# KiCad board AMC_FMC_Carrier-PcbDoc.kicad_pcb (continued)
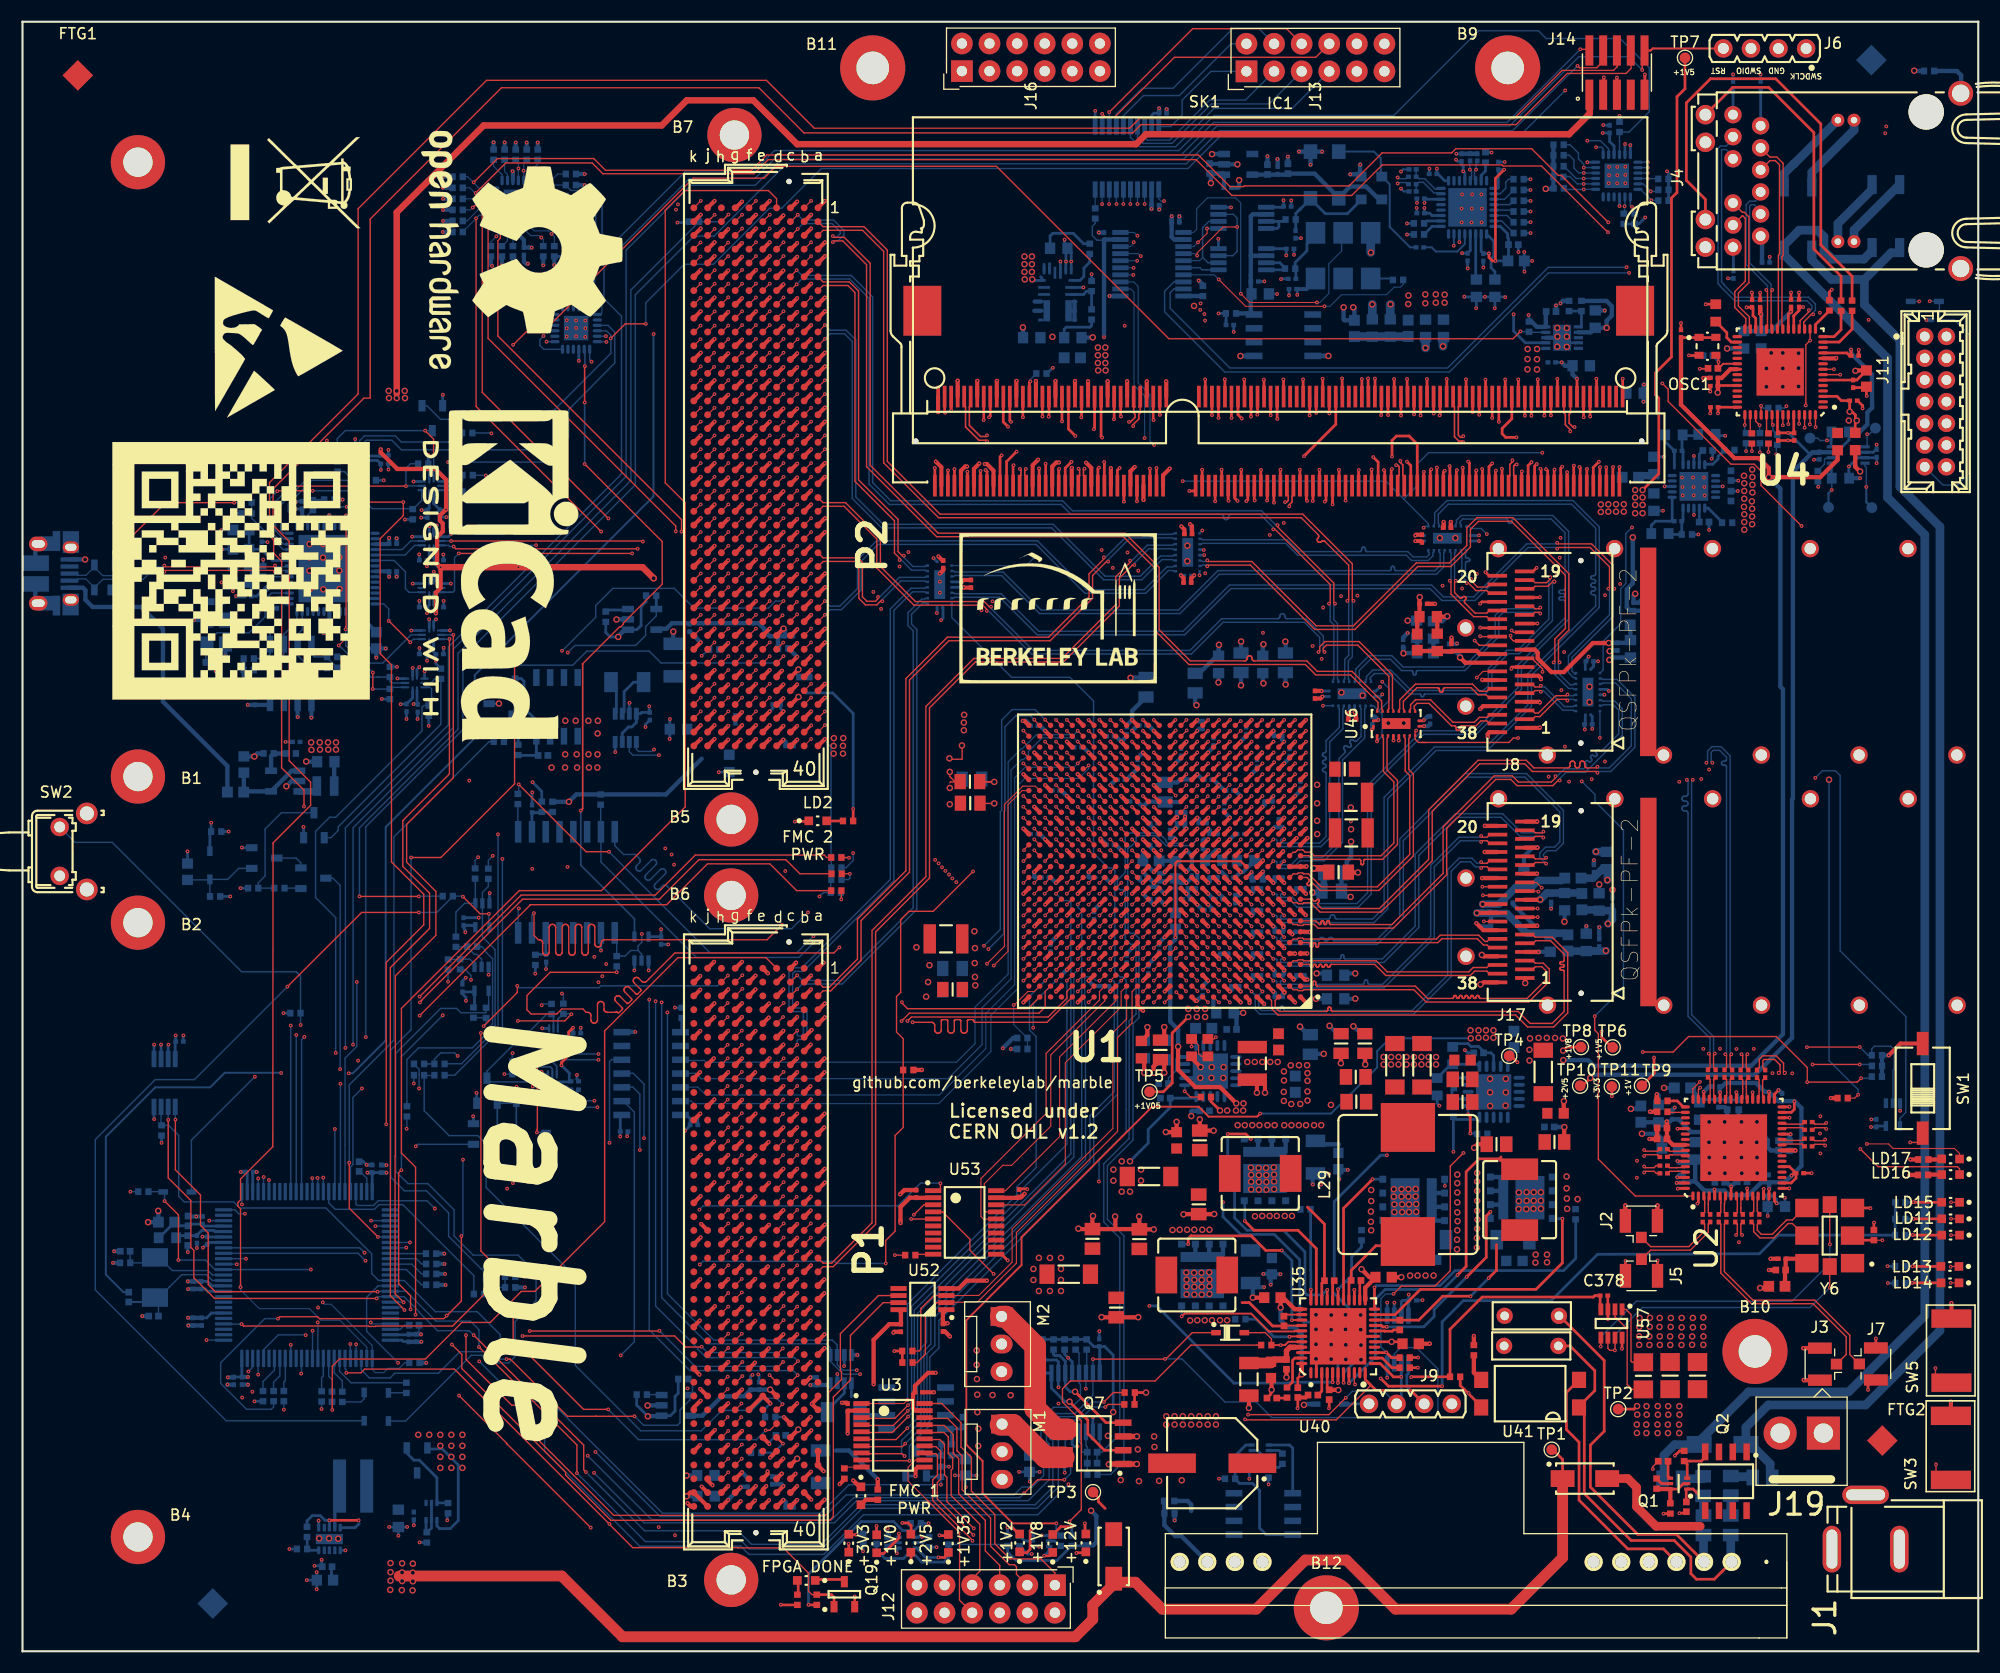
[diagram p0: board, top side]
## Copper pours and planes (outline as drawn; the poured copper is in the pictures) (continued)
+12V_FMC1 on Bottom: 70.41,21.99 71.57,23.16 75.21,23.16 75.21,17.67 72.39,17.67 71.42,16.83 69.95,16.83 69.95,21.58
+12V_FMC2 on Bottom: 56.28,87.98 57.1,87.16 71.85,87.16 72.18,87.49 72.18,90.31 71.55,90.95 56.84,90.95 56.28,90.39
/Power/+12VS on Top: 159.51,22.01 159.51,17.11 147.96,17.12 147.96,25.37 156.29,25.37
/Power/+12VS on Bottom: 154.12,19.12 146.26,11.25 115.2,11.25 115.3,20.76 131.65,20.76 135.37,23.79 154.12,23.79
/Power/Power_SW/1V5_DCDC on Bottom: 95.02,122.37 95.4,121.81 96.59,121.81 96.59,118.38 92.78,118.38 92.78,124.48 95.02,124.48
/Power/Power_SW/1V5_LDO on Bottom: 152.41,109.23 150.15,109.25 149.36,110.28 148.21,110.27 148.07,110.12 148.06,107.68 148.21,107.53 152.05,107.53 152.13,107.45 152.41,107.45
GND on Top: 135.51,49.39 132.66,49.39 132.66,55.9 135.51,55.9
GND on Top: 115.39,53.46 116.68,53.46 116.68,55.75 124.05,55.82 124.51,55.36 124.51,54.04 122.6,54.04 122.6,49.5 114.71,49.45 112.86,51.13 112.89,53.46
GND on Top: 121.81,82.26 121.83,73.96 124.57,73.96 124.55,82.26
GND on Top: 84.71,83.76 87.28,83.76 87.28,77.08 85.65,77.08 84.63,78.1 84.74,78.1
GND on Top: 81.64,67.39 84.76,67.39 84.76,64.83 85.25,63.99 85.25,59.52 81.67,59.52
GND on Top: 99.22,20.16 108.65,20.16 108.66,16.7 107.19,15.23 99.23,15.23
GND on Bottom: 87.31,83.82 87.32,76.99 84.71,76.99 84.71,83.84
GND on Bottom: 129.31,35.4 129.51,35.19 130.65,35.19 130.78,35.07 130.78,34.05 130.58,33.85 126.49,33.85 126.49,38.93 129,38.93 129.31,38.62
GND on Bottom: 106.05,55.34 102.49,55.34 102.49,52.37 104.37,50.49 105.21,50.49 105.21,52.34 106.05,53.18
GND on Bottom: 69.82,16.6 74.88,16.6 74.88,14.82 73.12,13.07 69.82,13.07
GND on Bottom: 81.72,59.7 85.25,59.7 85.25,64.4 81.72,64.4
GND on Bottom: 107.19,32.35 111.73,32.35 111.73,30.04 107.19,30.04
GND on Bottom: 112.93,42.05 118.08,42.05 118.08,39.03 112.93,39.03
GND on Bottom: 123.03,42.94 125.75,42.94 125.75,38.4 123.03,38.4
GND on Bottom: 140.18,44.31 144.45,44.31 144.45,40.25 140.18,40.25
GND on Bottom: 137.44,38.99 140.97,38.98 140.97,35.14 137.44,35.16
GND on GND1.Cu: 179.6,0.48 0.6,0.48 0.6,149.48 179.6,149.48
GND on GND3.Cu: 0.29,149.46 39.15,149.46 40.81,149.42 179.55,149.41 179.6,141.62 179.6,78.35 179.63,76.57 179.56,61.42 179.63,0.84 168.7,0.85 30.78,0.85 0.31,0.49 0.3,3.86 0.3,140.81
GND on GND5.Cu: 179.6,0.48 0.6,0.48 0.6,149.48 179.6,149.48
GND on GND8.Cu: 179.6,0.48 0.6,0.48 0.6,149.48 179.6,149.48
GND on GND10.Cu: 179.59,0.49 0.59,0.49 0.59,149.49 179.59,149.49
VCCAUX on Bottom: 119.08,52.17 115.43,52.17 115.43,54.49 119.08,54.49
VCCAUX on In9.Cu: 113.42,75.47 119.67,75.47 119.69,69.27 112.91,69.25 112.83,69.12 112.83,61.27 113.86,60.31 118.9,60.29 118.92,52.12 110.21,52.11 110.21,60.16 109.61,60.77 109.33,61.05 109.35,64.33 106.28,67.4 106.27,77.15 111.74,77.16
VCCAUXIO2V0 on Bottom: 112.57,72.15 112.57,76.42 109.65,76.42 109.65,72.15
VCCAUXIO2V0 on Bottom: 152.38,107 150.96,107 150.7,107.25 148.21,107.25 148.06,107.1 148.06,104.43 148.32,104.18 149.33,104.18 149.51,104.35 149.51,105.57 149.64,105.7 152.38,105.7
VCCAUXIO2V0 on In7.Cu: 150.17,98.12 150.19,98.14 150.19,90 131.51,71.4 109.5,71.4 109.5,76.19 127.78,76.18 144.57,92.99 144.68,107.41 147.94,107.42 150.17,107.42
VCCBRAM on Top: 111.66,56.4 114.5,56.4 114.86,56.05 116.33,56.05 116.33,53.58 111.66,53.58
VCCBRAM on In7.Cu: 117.45,54.18 117.4,55.08 114.55,57.91 107.62,57.92 107.62,69.04 109.11,70.59 108.99,75.72 107.52,77.29 105.92,77.32 104.22,75.62 104.22,58.2 103.3,57.28 103.39,53.64 104.8,52.32 116.44,52.18 117.43,53.12
+3.3P on Top: 33.32,116.42 35.61,116.42 35.61,114.9 33.32,114.9
+3.3P on Bottom: 35.73,20.56 41.45,20.56 41.45,15.94 38.73,15.94 35.73,18.94
+3.3P on In4.Cu: 61.13,131.93 61.13,131.3 58.84,129 58.84,123.1 49.83,114.1 33.13,114.1 33.19,135.35 58.15,135.35
+3.3P on PWR6.Cu: 41.2,94.58 67.99,94.58 67.99,92.04 58.85,82.9 42.85,82.9 41.83,81.88 41.83,56.61 46.02,52.42 46.02,39.84 48.18,37.68 48.18,24.98 113.08,24.98 115.36,27.27 128.06,27.27 128.06,20.92 115.87,20.92 114.09,19.14 48.18,19.14 48.18,0.47 18.76,0.55 11.6,0.5 0.51,0.42 0.51,6.9 0.56,7.97 0.56,116.55 41.2,116.55
/FPGA/VREF_DDR3 on Bottom: 140.76,117.36 138.2,117.34 138.2,120.18 140.76,120.18
/FPGA/VREF_DDR3 on In7.Cu: 141.81,120.62 141.81,117.31 139.54,115.2 111.17,115.2 107.29,111.32 107.29,101.79 107.36,86.15 108.35,85.16 108.35,84.65 106.88,83.18 106.88,82.06 108.58,80.38 109.22,80.38 111.15,82.31 115.19,82.31 115.62,82.74 115.62,83.79 116.02,84.14 116.56,84.17 116.81,83.91 116.81,79.47 115.31,77.71 104.24,77.69 102.36,79.57 99.87,79.57 99.29,80.15 99.29,82.46 101.9,85.08 102.19,85.08 102.98,84.27 103.81,84.27 104.29,84.75 104.29,103.52 101.17,106.62 93.52,114.27 88.44,114.27 87.68,113.5 87.68,111.6 85.32,109.26 84.33,108.3 83.92,108.3 83.66,108.55 83.66,108.98 84.58,109.9 84.58,119.04 86.69,121.15 141.3,121.15
/Power/Power_SW/PSS_XRP_LX1 on Top: 106.73,38.07 112.75,38.07 112.75,31.44 106.73,31.44
/Power/Power_SW/PSS_XRP_LX2 on Top: 112.62,47.03 118.56,47.03 118.56,40.5 112.62,40.5
/Power/Power_SW/PSS_XRP_LX3 on Top: 130.35,42.84 130.35,37.02 124.91,37.02 124.91,42.84
/Power/Power_SW/PSS_XRP_LX4 on Top: 135.1,42.56 141.04,42.56 141.04,36.87 135.1,36.87
/Power/Power_SW/XR77129ILB_F_VOUT1 on Top: 97.05,38.07 106.52,38.07 106.52,31.46 97.05,31.46
/Power/Power_SW/XR77129ILB_F_VOUT2 on Top: 104.42,47.06 112.29,47.06 112.29,40.99 104.42,40.99
/Power/Power_SW/XR77129ILB_F_VOUT3 on Top: 122.73,46.93 124.63,45.02 129.89,45.02 132.59,47.72 132.59,55.44 130.88,55.44 130.63,55.18 130.63,53.81 129.99,53.18 125.07,53.18 124.41,53.84 122.73,53.84
/Power/Power_SW/XR77129ILB_F_VOUT4 on Top: 135.81,52.67 141.03,52.67 141.03,42.76 135.81,42.76
MGTAVCC on Bottom: 108.61,56.66 108.61,58.13 110.36,58.13 110.36,59.5 112.34,61.49 113.56,61.49 113.66,61.59 113.66,70.43 113.44,70.66 109.27,70.66 106.98,68.37 106.98,66.08 106.3,65.4 106.3,56.66
MGTAVCC on In7.Cu: 112.88,70.63 113.79,69.71 113.79,59.99 111.99,58.16 111.89,58.05 106.96,58.05 106.96,68.32 109.27,70.63
MGTAVTT on Bottom: 133.19,58.13 132.71,57.64 132.71,56.04 133.22,55.53 135.3,55.5 136.25,56.4 137.91,56.43 138.17,56.75 138.17,57.95 137.99,58.13
MGTAVTT on In7.Cu: 114.44,71.97 114.88,71.43 124.79,71.34 135.66,60.47 137.59,58.69 137.59,58.61 137.59,57.44 135.2,55.21 118.08,55.21 113.87,59.48 113.81,71.21 113.94,72
VTT_DDR3 on Bottom: 148.49,113.45 147.24,112.37 147.24,108.8 144.21,108.78 142.41,110.25 142.41,121.22 148.49,121.2
Net-(C42-Pad2) on Top: 169.5,111.39 166.2,111.39 166.2,112.63 167.14,113.57 167.55,113.57 167.75,113.77 167.75,115.45 168.59,115.45 168.59,114.41 169.5,113.5
Net-(C42-Pad2) on Bottom: 169.2,112.86 166.3,112.86 164.2,114.97 156.5,114.97 155.56,115.91 155.56,117.97 157.74,120.15 157.74,123.86 158.23,124.34 164.7,124.34 165.59,123.45 165.59,119.49 169.2,115.88
Net-(C128-Pad1) on Top: 154.03,16.79 159.68,16.8 159.69,22.52 164.12,22.55 164.08,15.29 168.43,11.28 168.45,4.49 160.38,4.48 154.02,10.84
Net-(C129-Pad1) on Top: 33.27,8.63 36.32,8.63 36.32,5.12 33.27,5.12
Net-(C129-Pad1) on Bottom: 29.05,9.82 29.05,8.83 29.28,8.6 36.32,8.6 36.32,5.15 27.81,5.15 27.81,8.47 28.01,8.68 28.01,9.82
Net-(C132-Pad1) on Bottom: 35.25,18.43 37.51,16.17 37.51,12.28 34.11,12.28 33.35,11.52 30.73,11.52 30.73,18.43
Net-(C143-Pad1) on Bottom: 138.31,55.89 138.31,53.75 138.42,53.27 138.43,52.49 137.08,52.49 137.08,53.13 136.87,53.22 135.07,53.21 135.06,54.98 136.47,56.25 138.25,56.25
Net-(C350-Pad1) on Top: 99.03,8.93 108.84,8.93 109.73,8.04 109.73,6.57 116.35,6.58 116.35,19.76 109.47,19.75 109.47,17.03 106.04,13.6 99.06,13.6
Net-(C350-Pad1) on Bottom: 106.75,11.55 109.62,8.68 109.62,6.34 113.23,6.34 113.23,15.05 106.75,15.05
Net-(C383-Pad1) on Bottom: 108.99,56.28 108.69,56.58 108.69,58.08 111.35,58.08 111.35,56.73 112.55,55.54 112.55,54.35 111.08,54.35 111.08,55.01 110.97,55.11 108.99,55.11
Net-(Q16-Pad5) on Bottom: 77.82,25.26 81.23,25.26 81.23,19.37 75.46,19.37 75.46,25.29
Net-(Q23-Pad5) on Bottom: 47,91.54 54.09,91.54 55.27,90.36 55.27,87.62 54.02,87.62 53.26,86.86 46.45,86.86 46.45,91.53

## Text on the board
F.SilkS: +1V05 | +1V5 | +2V5 | +1V8 | +3V3 | +1V | RST | SWDIO | GND | SWDCLK | FMC 2 / PWR | FPGA DONE | FMC 1 / PWR | github.com/berkeleylab/marble | +1V0 | +1V35 | +1V2 | +12V | Licensed under / CERN OHL v1.2 | Marble
